# KiCad board 11-10084__speedy_processing_module__B.kicad_pcb
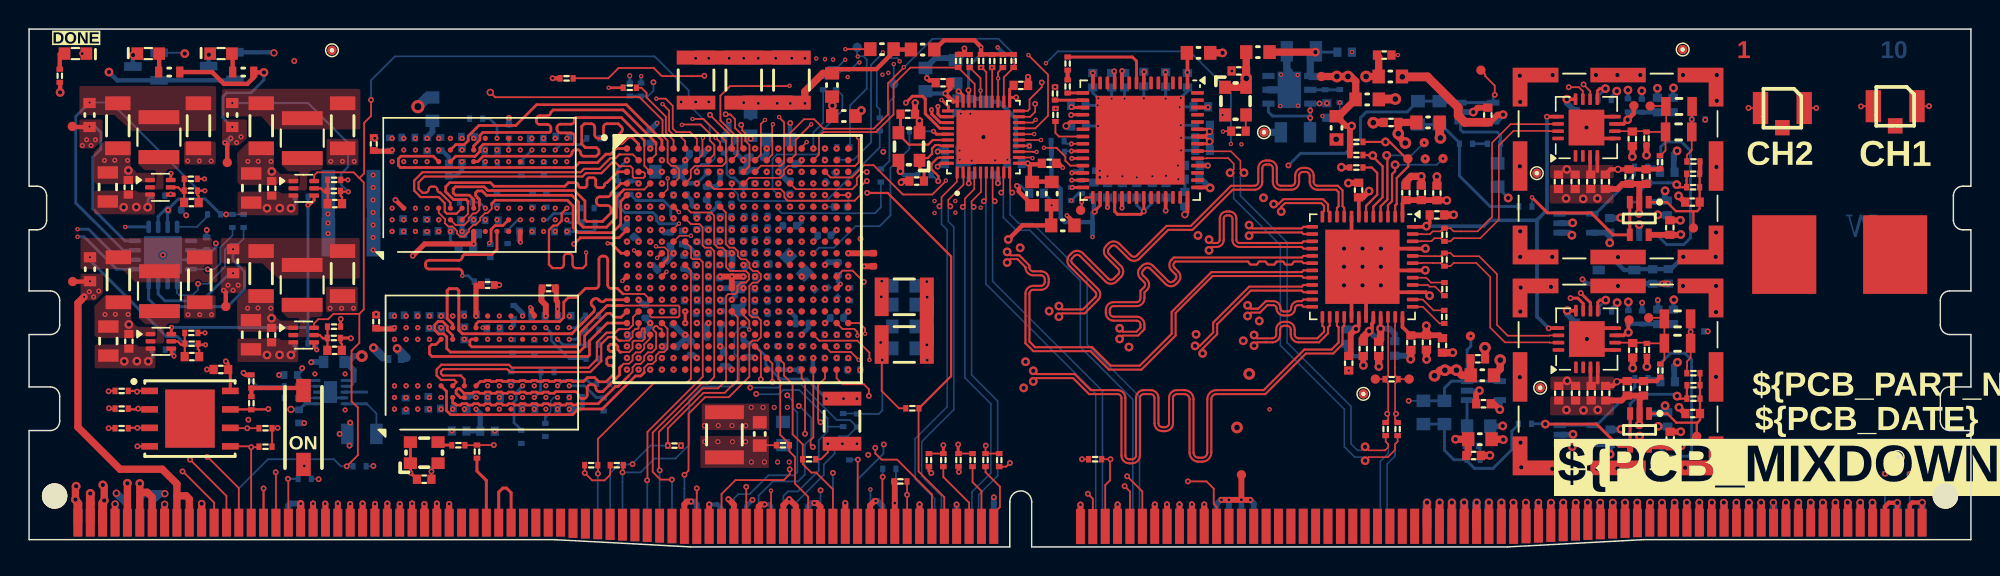
[diagram p0: board, top side]
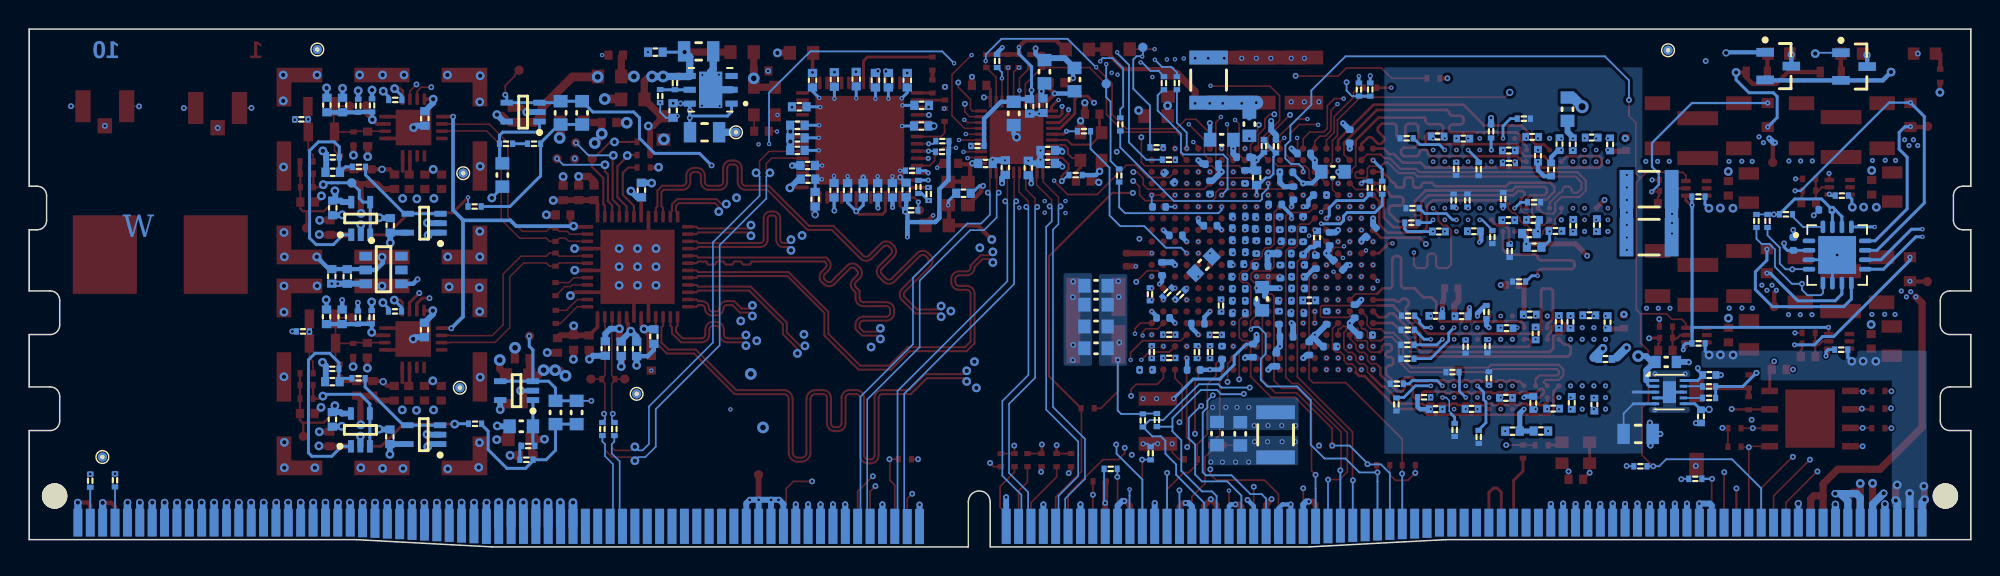
[diagram p1: board, bottom side, seen from below]

Outline 133.35 x 35.6 mm; copper layers: L1, L2, L3, L4, L5, L6, L7, L8, L9, L10. Coordinates in mm from the lower left corner of the outline.
Stack: L1 0.035mm / dielectric 0.0784mm 1080 RC69% 3.39mil er 3.91 / L2 0.0152mm / dielectric 0.13mm FR4 er 4.6 / L3 0.0152mm / dielectric 0.1194mm 2116 RC57% 5mil er 4.16 / L4 0.0152mm / dielectric 0.13mm FR4 er 4.6 / L5 0.0152mm / dielectric 0.1194mm 2116 RC57% 5mil er 4.16 / L6 0.0152mm / dielectric 0.13mm FR4 er 4.6 / L7 0.0152mm / dielectric 0.1194mm 2116 RC57% 5mil er 4.16 / L8 0.0152mm / dielectric 0.13mm FR4 er 4.6 / L9 0.0152mm / dielectric 0.0784mm 1080 RC69% 3.39mil er 3.91 / L10 0.035mm

## Placement (name value [footprint] x y rotation side)
C1  4.7µF  [C0805_1.40MM_HD]  113.28 28.53 0 top
C2  4.7µF  [C0805_1.40MM_HD]  113.3 30.28 0 top
C3  0.1µF  [C0402_0.55MM_HD]  109.88 25.46 90 top
C4  10pF  [C0402_0.55MM_HD]  110.1 28.06 90 top
C5  1000pF  [C0402_0.55MM_HD]  111.04 25.46 90 top
C6  0.1µF  [C0402_0.55MM_HD]  93.06 33.81 180 top
C7  2.2µF  [C0402_0.55MM_HD]  112.9 30.38 270 bottom
C8  0.1µF  [C0402_0.55MM_HD]  106.18 29.46 90 bottom
C9  10000pF  [C0402_0.55MM_HD]  114.23 23.71 0 top
C10  0.1µF  [C0402_0.55MM_HD]  111.83 30.38 270 bottom
C11  0.1µF  [C0402_0.55MM_HD]  108.55 22.11 270 bottom
C12  2.2µF  [C0402_0.55MM_HD]  93.53 29.18 0 top
C13  0.1µF  [C0402_0.55MM_HD]  112.5 23.31 90 bottom
C14  0.1µF  [C0402_0.55MM_HD]  112.68 21.96 270 top
C15  2.2µF  [C0402_0.55MM_HD]  105.03 25.11 90 top
C16  0.1µF  [C0402_0.55MM_HD]  106.18 25.11 90 top
C17  0.1µF  [C0402_0.55MM_HD]  112.5 25.76 180 bottom
C18  1000pF  [C0402_0.55MM_HD]  108.25 25.11 270 top
C19  1000pF  [C0402_0.55MM_HD]  107.25 25.11 270 top
C20  4.7µF  [C0805_1.40MM_HD]  113.2 14 0 top
C21  4.7µF  [C0805_1.40MM_HD]  113.2 15.68 0 top
C22  0.1µF  [C0402_0.55MM_HD]  109.75 10.9 90 top
C23  10pF  [C0402_0.55MM_HD]  110.13 13.52 90 top
C24  1000pF  [C0402_0.55MM_HD]  110.87 10.9 90 top
C25  0.1µF  [C0402_0.55MM_HD]  106.2 14.92 90 bottom
C26  2.2µF  [C0402_0.55MM_HD]  111.85 15.82 270 bottom
C27  0.1µF  [C0402_0.55MM_HD]  99.2 6.28 180 top
C28  10000pF  [C0402_0.55MM_HD]  114.25 9.17 0 top
C29  0.1µF  [C0402_0.55MM_HD]  112.93 15.82 270 bottom
C30  0.1µF  [C0402_0.55MM_HD]  112.7 7.42 270 top
C31  2.2µF  [C0402_0.55MM_HD]  99.49 12.93 180 top
C32  0.1µF  [C0402_0.55MM_HD]  108.58 7.57 270 bottom
C33  0.1µF  [C0402_0.55MM_HD]  112.53 8.77 90 bottom
C34  2.2µF  [C0402_0.55MM_HD]  106.2 10.57 90 top
C35  0.1µF  [C0402_0.55MM_HD]  105.05 10.57 90 top
C36  0.1µF  [C0402_0.55MM_HD]  112.53 11.36 180 bottom
C37  1000pF  [C0402_0.55MM_HD]  108.28 10.57 270 top
C38  1000pF  [C0402_0.55MM_HD]  107.28 10.57 270 top
C39  1µF  [C0402_0.55MM_HD]  92.69 13.62 90 bottom
C40  1µF  [C0402_0.55MM_HD]  97.06 13.85 90 top
C41  10000pF  [C0402_0.55MM_HD]  91.63 13.61 90 bottom
C42  10000pF  [C0402_0.55MM_HD]  95.96 14.05 90 top
C43  1µF  [C0402_0.55MM_HD]  96.68 24.33 270 top
C44  10000pF  [C0402_0.55MM_HD]  95.61 24.34 270 top
C45  0.1µF  [C0402_0.55MM_HD]  96.68 22.82 180 top
C46  1000pF  [C0402_0.55MM_HD]  91.62 13.62 90 top
C47  1000pF  [C0402_0.55MM_HD]  94.89 14.04 90 top
C48  1000pF  [C0402_0.55MM_HD]  94.55 24.34 270 top
C49  10000pF  [C0402_0.55MM_HD]  90.62 12.63 90 top
C50  10000pF  [C0402_0.55MM_HD]  91.3 24.53 270 top
C51  10000pF  [C0402_0.55MM_HD]  92.68 13.62 90 top
C52  1µF  [C0402_0.55MM_HD]  90.44 14.46 90 bottom
C53  1µF  [C0402_0.55MM_HD]  93.78 13.64 90 bottom
C54  1µF  [C0402_0.55MM_HD]  91.3 24.53 270 bottom
C55  10µF  [C0805_1.40MM_MD]  86.96 28.51 0 bottom
C56  10000pF  [C0402_0.55MM_HD]  31.48 7.96 0 bottom
C57  0.1µF  [C0402_0.55MM_HD]  89.12 30 90 bottom
C58  10000pF  [C0402_0.55MM_HD]  29.53 7.97 0 bottom
C59  10µF  [C0805_1.40MM_MD]  87.37 34.07 0 bottom
C60  0.047µF  [C0402_0.55MM_HD#2]  31.93 10.25 0 bottom
C61  0.1µF  [C0402_0.55MM_HD]  90.34 34.02 180 bottom
C62  0.047µF  [C0402_0.55MM_HD#2]  35.68 17.78 0 top
C63  0.47µF  [C0402_0.55MM_HD#2]  30.29 15.98 0 bottom
C64  0.47µF  [C0402_0.55MM_HD#2]  34.29 9.49 0 bottom
C65  1µF  [C0402_0.55MM_HD]  83.08 32.72 0 top
C66  1µF  [C0402_0.55MM_HD]  79.37 23.91 270 bottom
C67  1µF  [C0402_0.55MM_HD]  79.86 25.28 0 bottom
C68  1µF  [C0402_0.55MM_HD]  79.88 26.22 0 bottom
C69  1µF  [C0402_0.55MM_HD]  80.46 30.26 0 bottom
C70  1µF  [C0402_0.55MM_HD]  79.55 32.09 90 bottom
C71  1µF  [C0402_0.55MM_HD]  76.55 32.16 90 bottom
C72  1µF  [C0402_0.55MM_HD]  74.34 32.09 90 bottom
C73  0.1µF  [C0402_0.55MM_HD]  83.05 28.58 0 top
C74  0.1µF  [C0402_0.55MM_HD]  72.08 28.94 0 bottom
C75  1µF  [C0402_0.55MM_HD]  78.05 32.14 90 bottom
C76  1µF  [C0402_0.55MM_HD]  73.05 32.09 90 bottom
C77  1µF  [C0402_0.55MM_HD]  75.23 32.09 90 bottom
C78  1µF  [C0402_0.55MM_HD]  80.59 28.12 0 bottom
C79  1µF  [C0402_0.55MM_HD]  80.59 27.26 0 bottom
C80  1µF  [C0402_0.55MM_HD]  80.59 28.99 0 bottom
C81  1µF  [C0402_0.55MM_HD]  74.06 24.52 270 bottom
C82  1µF  [C0402_0.55MM_HD]  111.5 18.59 270 bottom
C83  0.1µF  [C0402_0.55MM_HD]  112.57 18.6 270 bottom
C84  0.47µF  [C0402_0.50MM_HD_Chamfered]  47.42 18.93 90 bottom
C85  0.1µF  [C0402_0.55MM_HD]  13.17 12.2 0 top
C86  0.1µF  [C0402_0.55MM_HD]  27.13 4.65 180 top
C88  0.1µF  [C0402_0.55MM_HD#2]  44.9 21.27 90 bottom
C89  0.047µF  [C0402_0.55MM_HD#2]  27.5 15.47 90 bottom
C90  10000pF  [C0402_0.55MM_HD]  29.99 20.61 180 bottom
C91  0.047µF  [C0402_0.55MM_HD#2]  34.98 15.86 180 bottom
C92  10000pF  [C0402_0.55MM_HD]  30.32 21.55 0 bottom
C93  0.047µF  [C0402_0.55MM_HD#2]  36.63 28.22 180 bottom
C94  0.047µF  [C0402_0.55MM_HD#2]  24.78 27.67 270 bottom
C95  0.47µF  [C0402_0.55MM_HD#2]  28.83 25.94 270 bottom
C96  4.7µF  [C0402_0.55MM_HD#2]  31.49 18.01 180 top
C97  0.047µF  [C0402_0.55MM_HD#2]  26.2 15.93 0 bottom
C98  0.047µF  [C0402_0.55MM_HD#2]  27.41 9.9 90 bottom
C99  0.47µF  [C0402_0.55MM_HD#2]  23.67 27.7 270 top
C100  0.047µF  [C0402_0.55MM_HD#2]  34.86 28.07 180 bottom
C101  0.047µF  [C0402_0.55MM_HD#2]  25.68 22.13 90 bottom
C102  0.047µF  [C0402_0.55MM_HD#2]  28.69 9.51 0 bottom
C103  0.047µF  [C0402_0.55MM_HD#2]  30.05 9.89 90 bottom
C104  0.047µF  [C0402_0.55MM_HD#2]  31.89 15.04 0 bottom
C105  4.7µF  [C0402_0.55MM_HD#2]  25.1 12.92 180 bottom
C106  0.047µF  [C0402_0.55MM_HD#2]  23.83 15.49 270 top
C107  0.047µF  [C0402_0.55MM_HD#2]  31.73 27.25 0 bottom
C108  0.047µF  [C0402_0.55MM_HD#2]  27.31 22.07 90 bottom
C109  0.047µF  [C0402_0.55MM_HD#2]  36.75 9.47 180 bottom
C110  0.047µF  [C0402_0.55MM_HD#2]  36.78 15.89 180 bottom
C111  0.047µF  [C0402_0.55MM_HD#2]  30.13 28.19 0 bottom
C112  0.047µF  [C0402_0.55MM_HD#2]  28.53 21.72 0 bottom
C113  0.047µF  [C0402_0.55MM_HD#2]  25.86 9.78 90 bottom
C114  0.047µF  [C0402_0.55MM_HD#2]  29.89 14.68 270 bottom
C115  0.047µF  [C0402_0.55MM_HD#2]  29.73 26.89 270 bottom
C116  0.047µF  [C0402_0.55MM_HD#2]  30.07 22.49 0 bottom
C117  0.047µF  [C0402_0.55MM_HD#2]  24.95 15.46 270 bottom
C118  0.047µF  [C0402_0.55MM_HD#2]  28.3 15.47 90 bottom
C119  0.047µF  [C0402_0.55MM_HD#2]  28.25 27.69 90 bottom
C120  0.047µF  [C0402_0.55MM_HD#2]  31.77 22.46 0 bottom
C121  10000pF  [C0402_0.55MM_HD]  49.05 25.38 270 bottom
C122  4.7µF  [C0603_1.00MM_MD]  61.56 32.13 270 bottom
C123  0.047µF  [C0402_0.55MM_HD#2]  27.34 27.68 90 bottom
C124  0.047µF  [C0402_0.55MM_HD#2]  34.13 21.7 0 bottom
C125  0.47µF  [C0402_0.50MM_HD_Chamfered]  47.13 20.17 180 bottom
C126  0.1µF  [C0402_0.55MM_HD]  62.76 31.91 0 top
C127  0.047µF  [C0402_0.55MM_HD#2]  26.04 28.14 0 bottom
C128  0.047µF  [C0402_0.55MM_HD#2]  36.53 21.68 180 bottom
C129  0.1µF  [C0402_0.55MM_HD]  64.73 26.05 270 bottom
C130  0.1µF  [C0402_0.55MM_HD]  63.39 27.25 180 bottom
C131  100µF  [C1210_2.70MM_MD]  47.75 7.71 90 bottom
C132  4.7µF  [C0603_1.00MM_MD]  50.18 7.77 90 bottom
C133  4.7µF  [C0603_1.00MM_MD]  51.78 7.79 90 bottom
C134  0.47µF  [C0402_0.50MM_HD_Chamfered]  43.44 19.37 225 bottom
C135  0.47µF  [C0402_0.50MM_HD_Chamfered]  45.86 22.27 90 bottom
C136  100µF  [C1210_2.70MM_MD]  52.35 32.09 270 bottom
C137  100µF  [C1210_2.70MM_MD]  49.08 32.09 270 top
C138  0.47µF  [C0402_0.50MM_HD_Chamfered]  41.19 21.63 135 bottom
C139  0.47µF  [C0402_0.50MM_HD_Chamfered]  47.11 16.92 180 bottom
C140  4.7µF  [C0603_1.00MM_MD]  51.45 27.99 180 bottom
C141  0.47µF  [C0402_0.50MM_HD_Chamfered]  47.53 15.75 90 bottom
C142  0.47µF  [C0402_0.50MM_HD_Chamfered]  44.04 21.17 90 bottom
C143  47µF  [C1210_2.80MM_MD]  47.75 7.71 90 top
C144  100µF  [C1210_2.70MM_MD]  55.83 8.64 90 top
C145  0.47µF  [C0402_0.50MM_HD_Chamfered]  46.2 17.77 180 bottom
C146  100µF  [C1210_2.70MM_MD]  22.1 24.59 0 bottom
C147  0.47µF  [C0402_0.50MM_HD_Chamfered]  52.25 24.72 270 bottom
C148  0.47µF  [C0402_0.50MM_HD_Chamfered]  46.2 18.57 0 bottom
C149  0.47µF  [C0402_0.50MM_HD_Chamfered]  42.32 16.2 90 bottom
C150  4.7µF  [C0603_1.00MM_MD]  50.18 7.77 90 top
C151  4.7µF  [C0603_1.00MM_MD]  43.81 25.79 0 bottom
C152  100µF  [C1210_2.70MM_MD]  22.1 21.29 0 bottom
C153  0.47µF  [C0402_0.50MM_HD_Chamfered]  49.85 25.44 270 bottom
C154  0.47µF  [C0402_0.50MM_HD_Chamfered]  46.25 16.07 180 bottom
C155  0.47µF  [C0402_0.50MM_HD_Chamfered]  46.63 21.42 90 bottom
C156  0.47µF  [C0402_0.50MM_HD_Chamfered]  44.7 24.19 180 bottom
C157  0.47µF  [C0402_0.50MM_HD_Chamfered]  48.68 22.69 0 bottom
C158  4.7µF  [C0603_1.00MM_MD]  27.7 30.09 270 bottom
C159  0.47µF  [C0402_0.50MM_HD_Chamfered]  47.01 25.75 180 bottom
C160  0.47µF  [C0402_0.50MM_HD_Chamfered]  52.13 26.32 0 bottom
C161  0.47µF  [C0402_0.50MM_HD_Chamfered]  45.86 20.53 90 bottom
C162  0.47µF  [C0402_0.50MM_HD_Chamfered]  46.53 24.32 270 bottom
C163  0.47µF  [C0402_0.50MM_HD_Chamfered]  48.7 21.87 180 bottom
C164  0.47µF  [C0402_0.50MM_HD_Chamfered]  44.24 15.75 90 bottom
C165  0.47µF  [C0402_0.50MM_HD_Chamfered]  45.8 27.04 180 bottom
C166  0.47µF  [C0402_0.50MM_HD_Chamfered]  49.98 26.79 0 bottom
C167  0.47µF  [C0402_0.50MM_HD_Chamfered]  46.2 19.39 180 bottom
C168  0.47µF  [C0402_0.50MM_HD_Chamfered]  47.47 22.27 90 bottom
C169  0.47µF  [C0402_0.50MM_HD_Chamfered]  44.01 13.77 180 bottom
C170  0.47µF  [C0402_0.50MM_HD_Chamfered]  42.66 28.23 270 bottom
C171  0.47µF  [C0402_0.50MM_HD_Chamfered]  41.55 14.56 180 bottom
C172  4.7µF  [C0603_1.00MM_MD]  55.95 29.62 180 top
C173  0.47µF  [C0402_0.50MM_HD_Chamfered]  47.78 23.54 180 bottom
C174  0.47µF  [C0402_0.50MM_HD_Chamfered]  53.08 15.35 180 bottom
C175  0.47µF  [C0402_0.50MM_HD_Chamfered]  57.98 19.74 90 top
C176  0.47µF  [C0402_0.50MM_HD_Chamfered]  49.08 20.62 90 bottom
C177  0.47µF  [C0402_0.50MM_HD_Chamfered]  55.48 15.74 180 bottom
C178  0.47µF  [C0402_0.50MM_HD_Chamfered]  55.05 25.39 45 bottom
C179  0.47µF  [C0402_0.50MM_HD_Chamfered]  50.28 17.74 0 bottom
C180  0.47µF  [C0402_0.50MM_HD_Chamfered]  48.71 19.31 0 bottom
C182  0.47µF  [C0402_0.50MM_HD_Chamfered]  56.64 12.17 180 bottom
C183  0.47µF  [C0402_0.50MM_HD_Chamfered]  55.75 23.37 180 bottom
C184  0.47µF  [C0402_0.50MM_HD_Chamfered]  50.28 16.92 180 bottom
C185  4.7µF  [C0603_1.00MM_MD]  48.68 17.06 90 bottom
C186  0.47µF  [C0402_0.50MM_HD_Chamfered]  53.38 12.17 0 bottom
C187  0.47µF  [C0402_0.50MM_HD_Chamfered]  52.23 22.08 180 bottom
C188  0.47µF  [C0402_0.50MM_HD_Chamfered]  50.31 18.57 180 bottom
C189  47µF  [C1210_2.80MM_MD]  52.35 32.09 270 top
C190  0.47µF  [C0402_0.50MM_HD_Chamfered]  51.43 13.35 90 bottom
C191  0.47µF  [C0402_0.50MM_HD_Chamfered]  54.6 21.42 180 bottom
C192  0.47µF  [C0402_0.50MM_HD_Chamfered]  50.28 20.27 180 bottom
C193  0.47µF  [C0402_0.50MM_HD_Chamfered]  50.39 19.44 0 bottom
C194  0.47µF  [C0402_0.50MM_HD_Chamfered]  55.55 19.12 270 bottom
C195  4.7µF  [C0603_1.00MM_MD]  52.7 19.39 135 bottom
C196  100µF  [C1210_2.70MM_MD]  45.8 32.09 270 top
C197  4.7µF  [C0603_1.00MM_MD]  60.08 16.65 0 bottom
C198  4.7µF  [C0603_1.00MM_MD]  60.08 15.15 0 bottom
C199  4.7µF  [C0603_1.00MM_MD]  60.08 17.95 0 bottom
C200  4.7µF  [C0603_1.00MM_MD]  60.08 13.65 0 bottom
C201  100µF  [C1210_2.70MM_MD]  60.1 17.19 180 top
C202  100µF  [C1210_2.70MM_MD]  60.1 13.92 180 top
C203  10000pF  [C0603_0.90MM_MD]  95.38 29.84 270 bottom
C204  10000pF  [C0603_0.90MM_MD]  96.85 29.84 270 bottom
C205  10000pF  [C0603_0.90MM_MD]  97.2 9.24 270 bottom
C206  10000pF  [C0603_0.90MM_MD]  100.85 25.57 90 bottom
C207  10000pF  [C0603_0.90MM_MD]  95.75 9.24 270 bottom
C208  0.1µF  [C0402_0.55MM_HD]  100.18 29.69 270 top
C209  0.1µF  [C0402_0.55MM_HD]  99.88 9.84 0 top
C210  10000pF  [C0603_0.90MM_MD]  99.55 8.29 180 bottom
C211  1µF  [C0402_0.55MM_HD]  75.08 24.52 270 bottom
C212  1µF  [C0402_0.55MM_HD]  78.07 24.52 270 bottom
C213  1µF  [C0402_0.55MM_HD]  77.14 24.52 270 bottom
C214  1µF  [C0402_0.55MM_HD]  73.12 24.54 270 bottom
C215  1µF  [C0402_0.55MM_HD]  72.06 30.36 180 bottom
C216  1µF  [C0402_0.55MM_HD]  76.07 24.52 270 bottom
C217  10µF  [C0805_1.40MM_MD]  5.44 14.15 270 top
C218  0.1µF  [C0402_0.55MM_HD]  6.85 14.13 270 top
C219  39pF  [C0402_0.55MM_HD]  11.18 13.08 0 top
C220  10µF  [C0805_1.40MM_MD]  15.25 24.67 270 top
C221  0.1µF  [C0402_0.55MM_HD]  16.66 24.65 270 top
C222  22µF  [C1206_1.90MM_MD]  6.13 18.36 90 top
C223  39pF  [C0402_0.55MM_HD]  20.99 23.6 0 top
C224  22µF  [C1206_1.90MM_MD]  15.94 28.95 90 top
C225  22µF  [C1206_1.90MM_MD]  21.53 28.95 90 top
C226  22µF  [C1206_1.90MM_MD]  11.72 18.36 90 top
C227  10µF  [C0805_1.40MM_MD]  15.24 14.58 270 top
C228  0.1µF  [C0402_0.55MM_HD]  16.65 14.56 270 top
C229  39pF  [C0402_0.55MM_HD]  20.98 13.51 0 top
C230  22µF  [C1206_1.90MM_MD]  15.93 18.79 90 top
C231  22µF  [C1206_1.90MM_MD]  21.52 18.79 90 top
C232  0.1µF  [C0402_0.55MM_HD]  66.31 26.08 270 bottom
C233  0.1µF  [C0402_0.55MM_HD]  68.11 31.73 180 top
C234  0.1µF  [C0402_0.55MM_HD]  64.64 30.28 90 bottom
C235  4.7µF  [C0603_1.00MM_MD]  65.73 29.8 90 bottom
C237  10µF  [C0805_1.40MM_MD]  5.4 24.74 270 top
C238  0.1µF  [C0402_0.55MM_HD]  6.81 24.72 270 top
C239  39pF  [C0402_0.55MM_HD]  11.14 23.67 0 top
C240  22µF  [C1206_1.90MM_MD]  6.09 28.95 90 top
C241  22µF  [C1206_1.90MM_MD]  11.63 28.95 90 top
C242  4.7µF  [C0603_1.00MM_MD]  58.57 34.22 0 top
C243  0.1µF  [C0402_0.55MM_HD]  69.18 24.31 0 bottom
C244  4.7µF  [C0603_1.00MM_MD]  70.99 22.1 180 top
C245  0.1µF  [C0402_0.55MM_HD]  70.05 26.37 180 top
C246  4.7µF  [C0603_1.00MM_MD]  68.88 24.29 90 top
C247  0.1µF  [C0402_0.55MM_HD]  67.67 26.36 0 bottom
C248  0.1µF  [C0402_0.55MM_HD]  63.4 26.36 180 bottom
C249  0.1µF  [C0402_0.55MM_HD]  63.72 30.33 90 bottom
C250  4.7µF  [C0603_1.00MM_MD]  63.62 32.67 270 bottom
C251  18pF  [C0402_0.55MM_HD]  60.34 29.75 180 top
C252  18pF  [C0402_0.55MM_HD]  60.96 25.15 0 top
C253  0.47µF  [C0402_0.50MM_HD_Chamfered]  10 23.17 180 bottom
C254  0.47µF  [C0402_0.50MM_HD_Chamfered]  12.19 20.83 270 bottom
C255  0.47µF  [C0402_0.50MM_HD_Chamfered]  47.8 21.02 180 bottom
C256  0.47µF  [C0402_0.50MM_HD_Chamfered]  50.28 21.09 0 bottom
C257  0.47µF  [C0402_0.50MM_HD_Chamfered]  50.28 21.92 180 bottom
C258  0.47µF  [C0402_0.50MM_HD_Chamfered]  50.28 22.72 0 bottom
C259  0.47µF  [C0402_0.50MM_HD_Chamfered]  50.28 16.07 0 bottom
C260  0.47µF  [C0402_0.50MM_HD_Chamfered]  44.98 19.58 90 bottom
C261  0.47µF  [C0402_0.50MM_HD_Chamfered]  45.44 13.64 270 bottom
C262  0.47µF  [C0402_0.50MM_HD_Chamfered]  47.7 12.87 270 bottom
C263  0.47µF  [C0402_0.50MM_HD_Chamfered]  49.3 13.49 90 bottom
C264  0.47µF  [C0402_0.50MM_HD_Chamfered]  47 14.44 180 bottom
C265  0.1µF  [C0402_0.55MM_HD#2]  17.97 11.82 0 bottom
C266  0.1µF  [C0402_0.55MM_HD#2]  18.54 8.97 90 bottom
C267  10µF  [C0805_1.45MM_MD]  22.85 7.77 0 bottom
C268  0.1µF  [C0402_0.55MM_HD#2]  45.44 16.95 180 bottom
C269  4.7µF  [C0603_1.00MM_HD]  20.93 12.72 180 bottom
D1  APT1608CGCK  [LED-0603-GREEN]  3.18 33.92 0 top
D5  APT1608CGCK  [LED-0603-GREEN]  8.18 33.92 180 top
D6  APT1608SURCK  [LED-0603-RED]  13.18 33.92 180 top
IC1  XC7Z010-2CLG400I  [BGA400C80P20X20_1700X1700X160]  48.66 19.79 0 top
J1  -  [1909763-1]  128.15 29.62 0 top
J2  -  [1909763-1]  120.4 29.5 0 top
JEDEC1  ~  [DDR5-ABxB-Module-Extended]  70.55 3.1 0 top
L1  1kΩ@100MHz  [C0603_0.90MM_MD]  93.48 32.34 0 top
L2  1kΩ@100MHz  [C0603_0.90MM_MD]  96.07 29.18 0 top
L3  1kΩ@100MHz  [C0603_0.90MM_MD]  99.63 7.4 0 top
L4  1kΩ@100MHz  [C0603_0.90MM_MD]  99.8 11.8 0 top
L6  120@100MHz  [C0603_0.90MM_MD]  91.89 30.77 0 top
L7  120@100MHz  [C0603_0.90MM_MD]  89.78 28.81 270 top
L8  120@100MHz  [C0603_0.90MM_MD]  84.39 34.02 180 top
L9  120@100MHz  [C0603_0.90MM_MD]  80.31 33.97 180 top
L10  120@100MHz  [C0603_0.90MM_MD]  55.14 31.76 270 top
L11  1µH  [Inductor 1210 (3225 Metric)]  8.95 17.58 90 top
L12  1µH  [Inductor 1210 (3225 Metric)]  18.76 28.1 90 top
L13  1µH  [Inductor 1210 (3225 Metric)]  18.75 18.01 90 top
L14  120@100MHz  [C0603_0.90MM_MD]  61.36 34.19 0 top
L15  1µH  [Inductor 1210 (3225 Metric)]  8.91 28.17 90 top
L16  120@100MHz  [C0603_0.90MM_MD]  70.23 24.29 90 top
L17  120@100MHz  [C0603_0.90MM_MD]  49.55 29.07 270 bottom
M1  -  [S8101-46R]  120.53 20.1 270 top
M2  -  [S8101-46R]  128.15 20.1 270 top
Q3  FDV301N  [SOT-23]  8.02 33.03 180 bottom
Q4  FDV301N  [SOT-23]  13.23 33.05 180 bottom
R1  100Ω  [R0402_0.40MM_HD]  112 26.45 270 top
R2  100Ω  [R0402_0.40MM_HD]  111.08 28.08 90 top
R3  95.3kΩ  [R0402_0.40MM_HD]  114.3 26.5 0 top
R4  10kΩ  [R0402_0.40MM_HD]  114.28 25.66 0 top
R5  100Ω  [R0402_0.40MM_HD]  109.8 30.36 90 bottom
R6  100Ω  [R0402_0.40MM_HD]  110.75 30.33 270 bottom
R7  10kΩ  [R0402_0.40MM_HD]  114.28 24.73 0 top
R8  10kΩ  [R0402_0.40MM_HD]  108.2 30.73 0 bottom
R9  10kΩ  [R0402_0.40MM_HD]  110.7 26.13 180 bottom
R10  7.32kΩ  [R0402_0.40MM_HD]  112.5 26.78 180 bottom
R11  86.6kΩ  [R0402_0.40MM_HD]  102.76 23.4 180 bottom
R12  86.6kΩ  [R0402_0.40MM_HD]  102.73 8.47 180 bottom
R13  100Ω  [R0402_0.40MM_HD]  112.03 12.12 270 top
R14  100Ω  [R0402_0.40MM_HD]  111.1 13.54 90 top
R15  95.3kΩ  [R0402_0.40MM_HD]  114.3 11.94 0 top
R16  10kΩ  [R0402_0.40MM_HD]  114.3 10.19 0 top
R17  100Ω  [R0402_0.40MM_HD]  109.83 15.79 90 bottom
R18  100Ω  [R0402_0.40MM_HD]  110.78 15.77 270 bottom
R19  10kΩ  [R0402_0.40MM_HD]  114.3 11.12 0 top
R20  10kΩ  [R0402_0.40MM_HD]  108.23 16.19 0 bottom
R21  10kΩ  [R0402_0.40MM_HD]  110.73 11.59 180 bottom
R22  7.32kΩ  [R0402_0.40MM_HD]  112.53 12.24 180 bottom
R23  86.6kΩ  [R0402_0.40MM_HD]  98.68 27.72 0 bottom
R24  86.6kΩ  [R0402_0.40MM_HD]  99.2 5.99 0 bottom
R25  10kΩ  [R0402_0.40MM_HD]  91.15 27.84 0 top
R26  10kΩ  [R0402_0.40MM_HD]  91.15 26.94 0 top
R27  100Ω  [R0402_0.40MM_HD]  97.2 21.46 90 top
R28  100Ω  [R0402_0.40MM_HD]  97.2 19.75 90 top
R29  100Ω  [R0402_0.40MM_HD]  97.2 17.72 90 top
R30  100Ω  [R0402_0.40MM_HD]  97.18 15.81 90 top
R31  100Ω  [R0402_0.40MM_HD]  93.57 11.53 0 top
R32  10kΩ  [R0402_0.40MM_HD]  91.15 26.08 0 top
R33  4.7kΩ  [R0402_0.40MM_HD]  89 31.88 90 bottom
R34  10kΩ  [R0402_0.40MM_HD]  90.01 30.99 270 bottom
R35  100Ω  [R0402_0.40MM_HD]  54.3 17.34 135 bottom
R36  100Ω  [R0402_0.40MM_HD]  55.18 17.49 135 bottom
R37  100kΩ  [R0402_0.40MM_HD]  72.77 23.15 0 bottom
R38  4.7kΩ  [R0402_0.40MM_HD]  56.87 8.69 90 bottom
R39  4.7kΩ  [R0402_0.40MM_HD]  55.9 8.72 90 bottom
R40  1kΩ  [R0402_0.40MM_HD]  72.72 25.86 180 bottom
R41  1kΩ  [R0402_0.40MM_HD]  72.28 24.75 90 bottom
R42  1kΩ  [R0402_0.40MM_HD]  70.66 27.16 0 bottom
R43  1kΩ  [R0402_0.40MM_HD]  70.63 27.9 0 bottom
R44  1kΩ  [R0402_0.40MM_HD]  71.57 24.26 90 bottom
R45  1kΩ  [R0402_0.40MM_HD]  70.48 29.7 270 top
R46  100Ω  [R0402_0.40MM_HD]  71.32 31.65 90 top
R47  100Ω  [R0402_0.40MM_HD]  70.45 31.17 90 top
R48  100Ω  [R0402_0.40MM_HD]  71.32 33.23 90 top
R49  4.7kΩ  [R0402_0.40MM_HD]  44.32 6.97 0 top
R50  4.7kΩ  [R0402_0.40MM_HD]  38.6 5.62 180 top
R51  220Ω  [R0402_0.40MM_HD]  40.36 5.62 180 top
R52  220Ω  [R0402_0.40MM_HD]  2.1 32.39 270 top
R53  24Ω  [R0402_0.40MM_HD]  29.48 6.99 0 top
R54  24Ω  [R0402_0.40MM_HD]  41.25 31.57 180 top
R55  4.7kΩ  [R0402_0.40MM_HD]  6.35 10.73 180 top
R56  20kΩ  [R0402_0.40MM_HD]  18.93 4.68 180 bottom
R57  20kΩ  [R0402_0.40MM_HD]  36.91 32.21 180 top
R58  20kΩ  [R0402_0.40MM_HD]  6.35 9.51 180 top
R59  24Ω  [R0402_0.40MM_HD]  30.75 6.55 270 top  (not fitted)
R60  20kΩ  [R0402_0.40MM_HD]  16.23 6.89 0 top
R61  1kΩ  [R0402_0.40MM_HD]  15.26 11.38 90 top
R64  20kΩ  [R0402_0.40MM_HD]  16.23 8.16 0 top
R65  20kΩ  [R0402_0.40MM_HD]  15.26 9.88 270 top
R66  20kΩ  [R0402_0.40MM_HD]  6.35 8.16 0 top
R67  20kΩ  [R0402_0.40MM_HD]  22.7 5.54 180 bottom
R68  330Ω  [R0603_0.55MM_HD]  9.62 32.65 0 top
R69  80.6Ω  [R0402_0.40MM_HD]  41.28 24.69 270 bottom
R70  80.6Ω  [R0402_0.40MM_HD]  40.43 24.69 270 bottom
R71  240Ω  [R0402_0.40MM_HD]  33.27 16.15 270 bottom
R72  240Ω  [R0402_0.40MM_HD]  32.95 28.57 270 bottom
R73  4.7kΩ  [R0402_0.40MM_HD]  38.43 22.29 0 bottom
R74  100Ω  [R0402_0.40MM_HD]  41.25 31.44 270 bottom
R75  86.6kΩ  [R0402_0.40MM_HD]  100.6 27.72 0 bottom
R76  86.6kΩ  [R0402_0.40MM_HD]  99.07 6.94 180 bottom
R77  100kΩ  [R0402_0.40MM_HD]  11.14 14.71 180 top
R78  100Ω  [R0402_0.40MM_HD]  56.38 17.37 90 bottom
R79  200kΩ  [R0402_0.40MM_HD]  11.16 13.97 0 top
R80  100kΩ  [R0402_0.40MM_HD]  18.71 24.08 180 bottom
R81  100kΩ  [R0402_0.40MM_HD]  20.95 25.23 180 top
R82  100Ω  [R0402_0.40MM_HD]  51.5 16.59 90 bottom
R83  100kΩ  [R0402_0.40MM_HD]  18.7 13.99 180 bottom
R84  100kΩ  [R0402_0.40MM_HD]  8.9 13.56 180 bottom
R85  100Ω  [R0402_0.40MM_HD]  55.05 14.59 180 bottom
R86  453kΩ  [R0402_0.40MM_HD]  20.93 24.47 0 top
R87  100kΩ  [R0402_0.40MM_HD]  20.94 15.14 180 top
R88  100Ω  [R0402_0.40MM_HD]  51.86 14.58 180 bottom
R89  150kΩ  [R0402_0.40MM_HD]  20.93 14.36 0 top
R90  100kΩ  [R0402_0.40MM_HD]  8.86 24.15 180 bottom
R91  100kΩ  [R0402_0.40MM_HD]  11.1 25.3 180 top
R92  66.5kΩ  [R0402_0.40MM_HD]  11.1 24.49 0 top
R93  100Ω  [R0402_0.40MM_HD]  52.25 13.39 90 bottom
R94  100Ω  [R0402_0.40MM_HD]  53.15 13.39 90 bottom
R95  100Ω  [R0402_0.40MM_HD]  55.05 12.99 180 bottom
R96  100Ω  [R0402_0.40MM_HD]  56.25 13.39 90 bottom
R97  4.7kΩ  [R0402_0.40MM_HD]  13.97 22.41 90 bottom
R98  4.7kΩ  [R0402_0.40MM_HD]  14.73 22.41 90 bottom
R99  4.7kΩ  [R0402_0.40MM_HD]  37.55 10.29 0 bottom
R102  10kΩ  [R0402_0.40MM_HD]  12.7 22.87 180 bottom
R105  10kΩ  [R0402_0.40MM_HD]  47.73 27.54 90 bottom
R106  10kΩ  [R0402_0.40MM_HD]  48.55 27.57 90 bottom
R107  10kΩ  [R0402_0.40MM_HD]  60.66 9.53 180 top
R108  4.7kΩ  [R0402_0.40MM_HD]  65.37 33.41 90 top
R109  4.7kΩ  [R0402_0.40MM_HD]  66.14 33.4 90 top
R110  4.7kΩ  [R0402_0.40MM_HD]  66.87 33.41 90 top  (not fitted)
R111  4.7kΩ  [R0402_0.40MM_HD]  67.61 33.41 90 top
R112  1.2kΩ  [R0402_0.40MM_HD]  66.87 33.41 270 bottom
R113  1.2kΩ  [R0402_0.40MM_HD]  64.59 33.4 270 top
R114  1.2kΩ  [R0402_0.40MM_HD]  63.8 33.41 270 top
R115  1.5kΩ  [R0402_0.40MM_HD]  68.22 27.57 180 bottom
R116  100Ω  [R0402_0.40MM_HD]  60.91 28.58 0 bottom
R117  2.49kΩ  [R0402_0.40MM_HD]  61.48 25.56 0 bottom
R118  390Ω  [R0402_0.40MM_HD]  62.78 5.97 90 top
R119  4.7kΩ  [R0402_0.40MM_HD]  66.62 5.97 270 top
R120  4.7kΩ  [R0402_0.40MM_HD]  61.79 5.97 270 top
R121  390Ω  [R0402_0.40MM_HD]  65.68 5.97 90 top
R122  4.7kΩ  [R0402_0.40MM_HD]  63.83 5.97 270 top
R123  390Ω  [R0402_0.40MM_HD]  64.79 5.97 90 top
R124  24Ω  [R0402_0.40MM_HD]  55.93 27.47 180 bottom
R125  24Ω  [R0402_0.40MM_HD]  55.42 31.88 270 bottom
R126  24Ω  [R0402_0.40MM_HD]  55.08 26.62 180 bottom
R127  24Ω  [R0402_0.40MM_HD]  58.42 29.05 270 bottom
R128  24Ω  [R0402_0.40MM_HD]  54.53 31.88 270 bottom
R129  24Ω  [R0402_0.40MM_HD]  58.49 25.53 270 bottom
R130  10mΩ  [R0603_0.55MM_MD]  4.15 29.69 270 top
R131  10mΩ  [R0603_0.55MM_MD]  4.18 19.09 270 top
R132  10mΩ  [R0603_0.55MM_MD]  14.01 19.64 270 top
R133  10mΩ  [R0603_0.55MM_MD]  13.95 29.69 270 top
R134  100Ω  [R0402_0.40MM_HD]  93.98 8.1 90 bottom  (not fitted)
R135  100Ω  [R0402_0.40MM_HD]  93.16 8.1 90 bottom  (not fitted)
R136  100Ω  [R0402_0.40MM_HD]  93.98 8.1 90 top
R137  100Ω  [R0402_0.40MM_HD]  93.16 8.1 90 top
R138  80.6Ω  [R0402_0.40MM_HD]  31.73 26.39 180 bottom
R139  40.2Ω  [R0402_0.40MM_HD]  30 23.69 0 bottom
R140  40.2Ω  [R0402_0.40MM_HD]  32.13 23.92 270 bottom
R141  40.2Ω  [R0402_0.40MM_HD]  33.1 11.59 270 bottom
R142  40.2Ω  [R0402_0.40MM_HD]  31.68 20.34 90 bottom
R143  40.2Ω  [R0402_0.40MM_HD]  34.7 13.77 90 bottom
R144  40.2Ω  [R0402_0.40MM_HD]  33.8 25.97 90 bottom
R145  40.2Ω  [R0402_0.40MM_HD]  35.35 25.99 90 bottom
R146  40.2Ω  [R0402_0.40MM_HD]  38.7 12.94 180 bottom
R147  40.2Ω  [R0402_0.40MM_HD]  35.53 23.82 270 bottom
R148  40.2Ω  [R0402_0.40MM_HD]  35.6 12.02 180 bottom
R149  40.2Ω  [R0402_0.40MM_HD]  34.58 23.82 270 bottom
R150  40.2Ω  [R0402_0.40MM_HD]  32.86 21.3 90 bottom
R151  40.2Ω  [R0402_0.40MM_HD]  30.7 29.44 0 bottom
R152  40.2Ω  [R0402_0.40MM_HD]  33.2 13.8 90 bottom